# Altium PCB C3_AI_V2.PcbDoc (part 1 of 2) (continued)
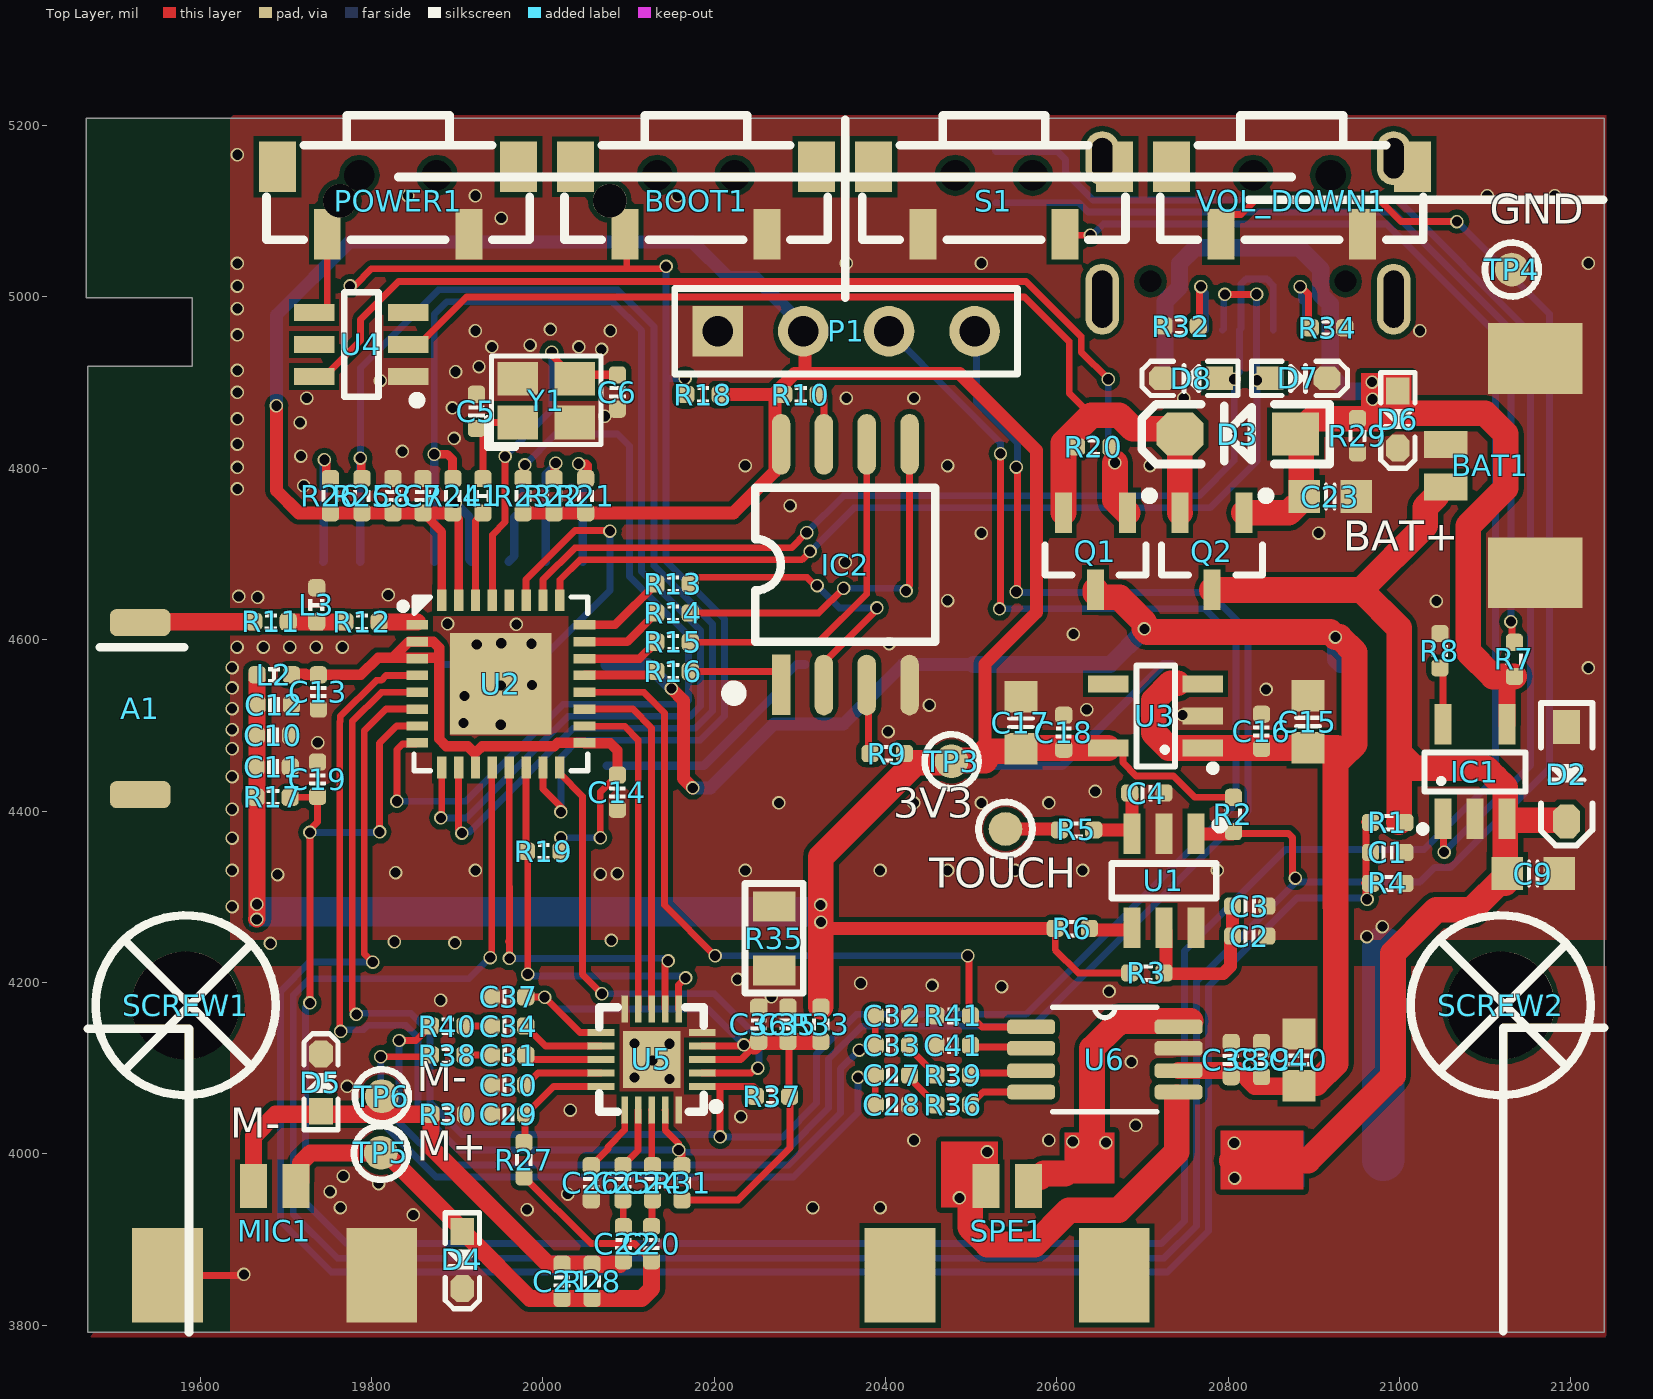
[diagram p0: Top Layer view]
## Footprints (in the part's own frame and the unit in brackets; to place one, negate y for a bottom-side part, rotate by r counter-clockwise, add the part's x,y. Pads: shape width x height; smd on the part's side, far side on the other; paste and mask are expansions set on the pad)
0603_LED_S1 [mm]
  rect 0.93x0.98 smd: A(0.77,0) K(-0.77,0)
  silkscreen extent -1.98,-0.79 1.54,0.79, body extent -0.8,-0.4 0.8,0.4, height 0.6
ANT-Rainsun-AN5120 [mm] "选择"
  rrect50% 0.8x1.8 smd: 1(-2.54,0) ""(2.563,0)
  silkscreen extent -1.8,-1.2 -1.8,1.3, body extent -2.57,-0.91 2.54,0.94, height 1.32
C0603 [mm]
  rect 0.93x0.98 smd: 1(-0.77,0) 2(0.77,0)
  silkscreen extent -0.13,-0.35 0.13,0.35, body extent -0.8,-0.4 0.8,0.4, height 0.3
CAP_0402 [mil]
  rrect50% 20x20 smd: 1(-20,0) 2(20,0)
  silkscreen extent -7,-9 7,9, body extent -20,-10 20,10, height 20
ES8311 [mm]
  rect 0.2x0.8 smd: 1(-0.8,-1.5) 2(-0.4,-1.5) 3(0,-1.5) 4(0.4,-1.5) 5(0.8,-1.5) 11(0.8,1.5) 12(0.4,1.5) 13(0,1.5) 14(-0.4,1.5) 15(-0.8,1.5)
  rect 0.8x0.2 smd: 6(1.5,-0.8) 7(1.5,-0.4) 8(1.5,0) 9(1.5,0.4) 10(1.5,0.8) 16(-1.5,0.8) 17(-1.5,0.4) 18(-1.5,0) 19(-1.5,-0.4) 20(-1.5,-0.8)
  rect 1.7x1.7 smd: 21(0,0)
  silkscreen extent -1.55,-2 1.55,1.55, body extent -1.5,-1.5 1.5,1.5, height 0.75
HDR1X4 [mm] "Connector; Header; 4 Position"
  rect 1.5x1.5 hole 0.9: 1(0,0)
  round 1.5 hole 0.9: 2(2.54,0) 3(5.08,0) 4(7.62,0)
  silkscreen extent -1.27,-1.27 8.89,1.27
IND_0402Q [mil]
  rrect50% 20x20 smd: 1(-20,0) 2(20,0)
  silkscreen extent -6,-9 7,9, body extent -20,-10 20,10, height 20
LED-SMD_4P-L5.0-W5.0-BL_XL-5050RGBC [mm]
  rect 1.5x1 smd: 1(-2.505,1.409) 2(-2.505,-1.591) 3(2.495,-1.591) 4(2.495,1.409)
  silkscreen extent -4.11,-2.59 4.39,2.41, body extent -2.7,-2.63 2.7,2.37, height 1.73
M3螺丝 [mil]
  round 126 hole 126 paste+0 mask+4: 1(0,0)
  silkscreen extent -105,-105 105,105
"MOLEX 53398-0271" [mm]
  rect 2.1x2.8 smd: 0(-3.175,1.4) 0(3.175,1.4)
  rect 0.8x1.3 smd: 1(-0.625,-1.248) 2(0.625,-1.248)
  body extent -3.83,-1.41 3.83,2.79, height 4.69
MSOP-8 [mil]
  rrect50% 56x17 smd: 1(-86,38) 2(-86,13) 3(-86,-13) 4(-86,-38) 5(86,-38) 6(86,-13) 7(86,13) 8(86,38)
  silkscreen extent -61,-61 61,61, body extent -97,-61 97,61, height 45
"OSC 2025-4P" [mm] "2*2.5*0.55mm(长宽高)"
  rect 1.2x1 smd: 1(-0.85,-0.65) 2(0.85,-0.65) 3(0.85,0.65) 4(-0.85,0.65)
  silkscreen extent -1.75,-1.4 1.63,1.32, body extent -1.25,-1 1.25,1, height 0.55
QFN-32_L5.0-W5.0-P0.50-TL-EP3.7 [mm]
  rect 0.28x0.65 smd paste-100 mask+0.051: 1(1.736,2.479) 2(1.235,2.479) 3(0.736,2.479) 4(0.235,2.479) 5(-0.264,2.479) 6(-0.765,2.479) 7(-1.264,2.479) 8(-1.765,2.479) 17(-1.765,-2.476) 18(-1.264,-2.476) 19(-0.765,-2.476) 20(-0.264,-2.476) 21(0.235,-2.476) 22(0.736,-2.476) 23(1.235,-2.476) 24(1.736,-2.476)
  rect 0.65x0.28 smd paste-100 mask+0.051: 9(-2.492,1.752) 10(-2.492,1.252) 11(-2.492,0.752) 12(-2.492,0.252) 13(-2.492,-0.248) 14(-2.492,-0.748) 15(-2.492,-1.248) 16(-2.492,-1.748) 25(2.463,-1.748) 26(2.463,-1.248) 27(2.463,-0.748) 28(2.463,-0.248) 29(2.463,0.252) 30(2.463,0.752) 31(2.463,1.252) 32(2.463,1.752)
  rect 3x3 smd paste-100 mask+0.051: 33(-0.015,0.002)
  silkscreen extent -2.59,-2.57 2.56,3, body extent -2.53,-2.5 2.47,2.5, height 0.91
"R 0805_L" [mil] "1/8W贴片电阻"
  rect 35x50 smd: 1(-37.4,0) 2(37.4,0)
  silkscreen extent -64,-34 64,34, body extent -39,-25 39,25, height 20
RES_0402 [mil]
  rrect50% 20x20 smd: 1(-20,0) 2(20,0)
  silkscreen extent -6,-10 6,10, body extent -20,-10 20,10, height 14
"SMT Test Point" [mm]
  round 1 smd paste-0.5: 1(0,0)
  silkscreen extent -0.8,-0.8 0.8,0.8, body extent -0.5,-0.5 0.5,0.5, height 0.1
SOD-123 [mil] "2.7x1.6X1.1mm（长宽高，不包括引脚）"
  rect 55x50 smd: 1(-67.5,0)
  oct 55x50 smd: 2(67.5,0)
  silkscreen extent -108,-35 112,35, body extent -73,-31 73,31, height 48
SOD-323 [mm] "1.8x1.3X0.9mm（长宽高，不包括引脚）"
  rect 1x0.8 smd: 1(-1.4,0)
  oct 1x0.8 smd: 2(1.4,0)
  silkscreen extent -2.11,-0.76 2.11,0.76, body extent -1.34,-0.63 1.31,0.67, height 1
SOD-523 [mm] "1.2x0.8X0.6mm（长宽高，不包括引脚）"
  rect 0.8x0.7 smd: 1(-0.85,0)
  oct 0.8x0.7 smd: 2(0.85,0)
  silkscreen extent -1.4,-0.51 1.45,0.51, body extent -0.8,-0.4 0.8,0.4, height 0.65
SOP8-FLASH [mm] "5.3*8.3*1.8mm（长宽高）"
  rect 1.8x0.55 smd: 1(-3.556,1.905)
  oval 1.8x0.55 smd: 2(-3.569,0.635) 3(-3.569,-0.635) 4(-3.569,-1.905) 5(3.569,-1.905) 6(3.569,-0.635) 7(3.569,0.635) 8(3.569,1.905)
  silkscreen extent -3.94,-2.67 2.29,3.43, body extent -3.94,-2.64 3.94,2.64, height 1.9
SOT23-3N [mm] "3x1.3x1mm(长宽高)"
  rect 0.5x1.2 smd: 1(-0.95,-1.143) 2(0.95,-1.143) 3(0,1.143)
  silkscreen extent -1.73,-1.78 1.5,0.7, body extent -1.5,-1.2 1.5,1.2, height 1.05
SOT23-5N [mm] "3x1.6x1.1mm(长宽高)"
  rect 0.5x1.2 smd: 1(-0.95,-1.4) 2(0,-1.4) 3(0.95,-1.4) 4(0.95,1.4) 5(-0.95,1.4)
  silkscreen extent -1.63,-1.78 1.5,0.56, body extent -1.5,-1.4 1.5,1.4, height 1.15
SOT23-6N [mm] "3x1.6x1.1mm(长宽高)"
  rect 0.5x1.2 smd: 1(-0.95,-1.4) 2(0,-1.4) 3(0.95,-1.4) 4(0.95,1.4) 5(0,1.4) 6(-0.95,1.4)
  silkscreen extent -1.78,-1.78 1.55,0.51, body extent -1.5,-1.4 1.5,1.4, height 1.15
TF卡座 [mm]
  round 1 hole 1 unplated: 0(3.334,-4.696) 0(3.334,3.305)
  rect 2x0.6 smd: 1(-7.366,2.505) 2(-7.366,1.405) 3(-7.366,0.305) 4(-7.366,-0.795) 5(-7.366,-1.895) 6(-7.366,-2.995) 7(-7.366,-4.095) 8(-7.366,-5.195) 9(-7.366,-6.295)
  rect 2x1.2 smd: 10(-6.666,-7.495)
  rect 2.2x1.6 smd: 11(2.934,-7.495) 12(2.934,8.005)
  rect 2x1.6 smd: 13(-6.666,7.105)
  silkscreen extent -6.12,-7.04 7.35,7.4, body extent -7.82,-7.8 9.38,8.3, height 2.2
"TSW 3*6*4.3-S-W" [mm] "侧立贴片3*6*4.3"
  rect 1.1x1.5 smd: 0(-3.575,-0.25) 0(3.575,-0.25)
  round 0 hole 0.9: 0(-1.15,0) 0(1.15,0)
  rect 0.8x1.5 smd: 1(2.1,1.75) 2(-2.1,1.75)
  silkscreen extent -3.9,-1.78 3.9,1.91, body extent -3.9,-1.79 3.9,1.91, height 3.51
"USB Type-C-16Pin_A" [mm]
  round 0 hole 0.65: 0(-2.89,3.65) 0(2.89,3.65)
  oval 1x1.6 hole 0.6 slot 1.2 at 90 deg: 1(-4.32,0) 1(4.32,0)
  oval 1x2.1 hole 0.6 slot 1.7 at 90 deg: 1(-4.32,4.18) 1(4.32,4.18)
  rect 0.3x1.45 smd: A1(-3.375,5.092) A4(-2.6,5.092) A5(-1.25,5.092) A6(-0.25,5.092) A7(0.25,5.092) A8(-1.75,5.092) A9(2.6,5.1) A12(3.375,5.1) B1(3.075,5.1) B4(2.3,5.1) B5(1.75,5.092) B6(0.75,5.092) B7(-0.75,5.092) B8(1.25,5.092) B9(-2.3,5.092) B12(-3.075,5.092)
  silkscreen extent -4.57,-2.79 4.57,3.05, body extent -4.47,-2.6 4.47,5.3, height 3.25

## Part data
A1: library part ANT-Rainsun-AP5120
BAT1 SPE1: library part "Header 4", "molex 53261-0271 2P", BOM名称=4P接插件, 学习资源=www.ooocke.com, 版权归属=源创客
BOOT1 S1 VOL_DOWN1: library part SW-PB, "3*6侧按键高寿命双弹片", LatestRevisionDate=17-Jul-2002, LatestRevisionNote="Re-released for DXP Platform.", PackageDescription="Switch; 2 Leads", PackageReference=SPST-2, Published=24-Mar-1999, Publisher="Altium Limited"
C1 C2 C3 C9 C15 C16 C17 C18 C23: library part cap
C4 C20 C21 C22: library part Cap, "贴片电容", LatestRevisionDate=17-Jul-2002, LatestRevisionNote="Re-released for DXP Platform.", PackageDescription="Radial Cap, Thru-Hole; 2 Leads; 0.3 in Pin Spacing", PackageReference=RAD-0.3, Published=8-Jun-2000, Publisher="Altium Limited"
C5 C6 C7 C8 C10 C11 C12 C13 C14 C19: library part C_0402, "Capacitor"
C24 C25 C26 C27 C28 C29 C30 C31 C32 C33 C34 C35 C36 C37 C38 C39 C40 C41: library part CAP
D1: library part "0603 白灯", "发光二极管", Package=0603, SuppliersPartNumber=C2290, ComponentLink1Description=供应商链接, ComponentLink1URL=http://www.szlcsc.com/product/details_2663.html, Supplier=LC
D2: library part 1N4007, "二极管"
D3: library part SS34, "肖特基二极管", BOM名称=肖特基二极管, 学习资源=www.ooocke.com, 属性=40V/3A, 版权归属=源创客
D4 D5 D6 D7 D8: "极性:双向;反向截止电压(Vrwm):5V;最大钳位电压:18.6V;峰值脉冲电流(Ipp)@10/1000us:9.4A;击穿电压:5.6V;", Breakdown Voltage=5.6V, JLCPCB Part Class=扩展库, LCSC Part Name=双向ESD, Manufacturer=LRC(乐山无线电), Maximum Clamping Voltage=18.6V, Peak Pulse Current (Ipp)@10/1000us=9.4A, Reverse Stand-Off Voltage (Vrwm)=5V, Add into BOM=yes, Convert to PCB=yes, Datasheet=https://atta.szlcsc.com/upload/public/pdf/source/20190807/C383211_633DF4B4E2C161403226E5235FE33A1C.pdf, Device=LESD5D5.0CT1G, Manufacturer Part=LESD5D5.0CT1G, polarity=双向, Supplier=LCSC, Supplier Footprint=SOD-523, Supplier Part=C383211, Symbol=LESD5D5.0CT1G, Type=ESD
IC1: library part LTC4054, "锂电池充电芯片", BOM名称=锂电池充电芯片, 学习资源=www.ooocke.com, 版权归属=源创客
IC2: library part W25Qxx, "外置Flash 1.8V", BOM名称=外置Flash, 学习资源=www.ooocke.com, 版权归属=源创客
J1: "TF卡座", BOM名称=TF卡座, 学习资源=www.ooocke.com, 版权归属=源创客
J2: library part USB_C, "Type-C 母 卧贴 https://item.szlcsc.com/3252508.html"
L1 L2: library part Ind_0402, "Inductor", Specification="±5% 100mA", Type=0402
L3: library part Ind_0402, "3nH电感 0402", Specification="±5% 100mA", Type=0402
LED1 LED2 LED3: "5050七彩幻彩透明贴片LED灯珠 5050 幻彩透明四脚 ws2812B 内置驱动IC", JLCPCB Part Class=扩展库, Manufacturer=XINGLIGHT(成兴光), Add into BOM=yes, Convert to PCB=yes, Datasheet=https://atta.szlcsc.com/upload/public/pdf/source/20240412/E1004CAA80592E31D08BFE019083806F.pdf, Device=XL-5050RGBC-WS2812B, LCSC Part Name=XL-5050RGBC-WS2812B, Manufacturer Part=XL-5050RGBC-WS2812B, Supplier=LCSC, Supplier Footprint=SMD5050, Supplier Part=C2843785, Symbol=XL-5050RGBC-WS2812B
MIC1: library part "Header 4", "立贴 MX1.25mm间距 连接器", BOM名称=4P接插件, 学习资源=www.ooocke.com, 版权归属=源创客
P1: library part "Header 4", "Header, 4-Pin", LatestRevisionDate=17-Jul-2002, LatestRevisionNote="Re-released for DXP Platform.", Publisher="Altium Limited"
POWER1: library part SW-PB, LatestRevisionDate=17-Jul-2002, LatestRevisionNote="Re-released for DXP Platform.", PackageDescription="Switch; 2 Leads", PackageReference=SPST-2, Published=24-Mar-1999, Publisher="Altium Limited"
Q1 Q2: library part AO3401, "P沟道 30V/4.2A", BOM名称=场效应管, 学习资源=www.ooocke.com, 描述="P沟道 30V/4.2A", 版权归属=源创客
R1 R4 R7 R8 R11 R12 R13 R14 R15 R16 R20 R21 R22 R23 R24 R25 R26 R27 R28 R29 R30 R31 R32 R33 R34 R35 R36 R37 R38 R39 R40 R41: library part RES, "普通电阻"
R2 R3 R5 R6 R9 R10 R17 R18 R19: library part R-0402, "Resistor"
TOUCH TP1 TP2 TP3 TP4 TP5 TP6 TP7 TP8: "PCB TEST POINT SMT 1mm", Created by=gmoreno, Creation date=26-Apr-2012
U1: library part TH6A9, "触摸IC"
U2: "CPU内核:RISC-V;CPU最大主频:160MHz;工作电压范围:3V~3.6V;程序存储容量:-;程序存储器类型:-;RAM总容量:400KB;GPIO端口数量:22;", JLCPCB Part Class=扩展库, Low-Voltage Detect=-, Manufacturer=ESPRESSIF(乐鑫), Operating Temperature Range=-40℃~+105℃, Operating Voltage Range=3V~3.6V, ADC (Bit)=12bit, Add into BOM=yes, CCP Capture/Compare=-, communication protocol=蓝牙协议；WIFI协议, Convert to PCB=yes, CPU Core=RISC-V, CPU Maximum Speed=160MHz, DAC (Bit)=-, Datasheet=https://atta.szlcsc.com/upload/public/pdf/source/20210625/C2838500_6489BE4707B1A2880AF92BF6724D19CA.pdf, Device=ESP32-C3, Direct Memory Access=有, EEPROM=-, GPIO Ports Number=22, I2C=1, I2S=1, Infrared Data Association=-, Internal Comparator=-, Internal Oscillator=-, LCSC Part Name=ESP32-C3, Manufacturer Part=ESP32-C3, Peripheral/Function=蓝牙协议栈；片载温度传感器；真随机数发生器；DMA；看门狗；WIFI协议栈；硬件密码算法引擎；54位Timer；PWM；RTC实时时钟, Program Memory Type=-, Program Storage Size=-, PWM (Bit)=-, RAM Size=400KB, Real-Time Clock=有, Secure Digital Input and Output=-, SPI=3, Supplier=LCSC, Supplier Footprint=QFN-32-EP(5x5), Supplier Part=C2838500, Symbol=ESP32-C3, UART/USART=2, Universal Serial Bus=-, Watchdog=有
U3: library part ME6211C28M5G, BOM_JLCPCB Part Class="Extended Part", BOM_Manufacturer=MICRONE(南京微盟), BOM_Manufacturer Part=ME6211C28M5G-N, BOM_Supplier=LCSC, BOM_Supplier Part=C53099, spicePre=U, spiceSymbolName=ME6211C28M5G
U4: "按键触发开关 IC", JLCPCB Part Class=扩展库, Add into BOM=yes, Convert to PCB=yes, Device=SAM8108, LCSC Part Name=SAM8108, Manufacturer Part=SAM8108, Supplier=LCSC, Supplier Footprint=SOT-23-6, Supplier Part=C9900019002, Symbol=SAM8108
U5: BOM_JLCPCB Part Class="Extended Part", BOM_Manufacturer=null, BOM_Manufacturer Part=ES8311-S, BOM_Supplier=LCSC, BOM_Supplier Part=C9900015232, Contributor=lcsc, spicePre=U, spiceSymbolName=ES8311-S
U6: library part LM4871
Y1: library part XT-4Pin, "XT-2520", Package="SMD-6 ECS International", Availability=Unavailable, MF="ECS International", MP=ECS-3225S30-240-EN-TR, Price="0.75 USD"
SCREW1 SCREW2: Add into BOM=yes, Convert to PCB=yes, Device=M3螺丝, Supplier Footprint=插件, Symbol=螺丝孔

## Via types
v1: diameter 15.75, hole 11.81, Top Layer to Bottom Layer, tented both sides, 222 vias

## Nets (pads, with @x,y where several pads share a name; then routed paths per layer and width w, separated by ;. In a path a pad name is that pad's centre, name@x,y a point inside that pad or via, vN(x,y) a via of type N, cw(c..) or ccw(c..) an arc to the next point about the centre after c; other vN are vias at no path point)
3V3_ESP32: C7.2 C8.2 C10.2 C11.2 C12.2 C17.2 C18.2 IC2.8 J1.4 L2.1 P1.2 R2.1 R3.1 R6.1 R9.1 R10.1 R17.1 R18.1 R21.1 R22.1 R23.1 R24.1 R25.1 R26.1 R33.2 TP3.1 U2.31 U2.32 U3.5 | length 4126.5
  Top Layer w8: R6.1@20598,4263 20598,4238 20625,4211 R3.1@20685,4211 ; U3.5@20659.88,4473.6 20671.2,4473.6 20677.04,4467.76 20677.04,4456.44 20692.48,4441 20736.21,4441 20761.21,4416 R2.1@20806,4416
  Top Layer w10: R25.1@19789,4748 C8.2@19825,4748 ; C7.2@19860,4748 19882.03,4725.97 U2.32@19882.03,4645.97 ; R24.1@19895,4748 19901.72,4741.28 U2.31@19901.72,4645.97
  Top Layer w15: v1(19689,4873) 19689,4774 19715,4748 R25.1@19789,4748 C7.2@19860,4748 R24.1@19895,4748 ; R23.1@19977,4748 R22.1@20013,4748 R21.1@20050,4748 20222.58,4748 20270.79,4796.21 20270.79,4887.49 ; R18.1@20207,4886 20269.3,4886 20270.79,4887.49 ; P1.2@20304,4960 20306,4958 20306,4910.48 ; 20324.5,4255 20332.5,4263 R6.1@20598,4263 ; 20516,4458.84 20516,4571.77 20576,4631.77 20576,4821 20486.52,4910.48 20306,4910.48 ; 20270.79,4887.49 20293.78,4910.48 20306,4910.48
  Top Layer w20: v1@19666,4274 19666.5,4274.5 19666.5,4315.75 19666.42,4315.83 19666.42,4335.61 19666.5,4335.68 C12.2@19666.5,4524 L2.1@19666.5,4559 ; R33.2@20324.5,4171 R33.2@20325,4171.5
  Top Layer w30: R33.2@20324.5,4171.5 20324.5,4255 v1(20324.5,4270.25) 20324.5,4346.2 20434.5,4456.21 20472.67,4456.21 TP3.1@20477,4460.54 ; TP3.1@20477,4458 20477.84,4458.84 20516,4458.84 ; 20517,4469.84 20555.16,4469.84 C17.2@20558,4472.69 ; C17.2@20558,4473.6 U3.5@20659.88,4473.6
  Bottom Layer w10: v1(19897.78,4759.75) 19913.98,4743.56 19913.98,4693.72 J1.4@19916.69,4691
  Bottom Layer w15: v1(19689,4873) 19689,4979 19774,5064 20175,5064 20216,5023 20247.45,5023 20304,4966.45 P1.2@20304,4960
  other v1: 19665.98,4273.42 20324.24,4290.39 19666.2,4291.11
3V3_VDD_ESP32: C13.2 C14.2 L2.2 R19.1 U2.2 U2.3 U2.11 U2.17 | length 756
  Top Layer w8: L2.2@19706.5,4559 19722.8,4559 ; R19.1@20021,4353 v1(20021,4369) ; v1(20067.16,4368.73) 20067,4368.89 20067,4422 C14.2@20087,4442
  Top Layer w12: L2.2@19711.29,4560.39 19722.8,4560.39 ; 19722.8,4559 C13.2@19738,4559 19787.66,4559 19807.66,4579 19825,4579 ; 19876,4579 19853.39,4579 19825,4579 ; C14.2@20087,4442 20087,4471.08 20078.85,4479.23 20048.77,4479.23 U2.17@20048.47,4479.53 20017.11,4479.53 20013.27,4475.68 19929.03,4475.68 19921.89,4468.54 19919.34,4468.54 19912.2,4475.68 19887.32,4475.68 19879,4484 19879,4579 19879,4590.61 19871.97,4597.64 U2.2@19853.39,4597.64 19843.64,4597.64 19825,4579
  Bottom Layer w8: v1(20021,4369) 20021.27,4368.73 v1(20067.16,4368.73)
ADC_GND: C26.2 C28.2 C29.1 C30.2 C32.1 C35.2 C36.2 C37.2 C38.2 C39.2 C40.2 C41.2 D4.2 D5.2 MIC1.0 R30.2 R35.1 R41.2 U5.5 U5.10 U5.20 U5.21 U6.7 | length 89.5
  Top Layer w8: MIC1.0@19562,3857.88 19649.88,3857.88 v1(19651,3859)
  other v1: 19848.75,3928.62 19981.66,3934.66 19763.79,3937.01 20314.97,3937.01 20393.71,3937.01 20029.11,3952.95 19751.76,3955.66 19808.19,3965.07 19767.04,3973.88 20433.08,4015.75 20590.56,4015.75 20692.01,4033.05 20231.11,4043.22 20032.02,4050.87 19771.74,4078.52 20147.79,4087.26 20106.77,4088.9 20687.01,4107.05 20128.1,4108.92 20147.79,4128.29 20107.1,4128.61 19880.6,4179.15 20266.77,4182.93 20660.82,4189.54 20535.34,4195.03 20454.42,4196.4 20371.02,4198.98 20227.25,4203.39
ADC_MIC1_N: C22.2 C25.2 | length 31.2
  Top Layer w8: C25.2@20093.5,3946 20093.75,3945.75 20093.75,3915.25 C22.2@20094,3915
ADC_MIC1_P: C20.2 C24.2 | length 31.4
  Top Layer w8: C20.2@20127,3915 20127.5,3915.5 20127.5,3945.5 C24.2@20128,3946
ADC_MICBIAS12: C29.2 R27.1 U5.15 | length 135.2
  Top Layer w8: R27.1@19978,4013 19979,4014 19979,4045 C29.2@19980,4046 20012.5,4078.5 U5.15@20067.94,4078.5
AUX_VCC_IN: D3.2 Q1.2 Q2.2 R20.1 U4.2 | length 1242.5
  Top Layer w8: U4.2@19844.12,4947 19857.9,4947 19911.06,5000.16 20562.08,5000.16 20614.36,4947.87 20614.36,4887.64 20640,4862
  Top Layer w30: Q1.2@20607.6,4748 20607.6,4829.6 20613,4835 20640,4862 20672.77,4862 20688.48,4846.29 20737.21,4846.29 D3.2@20743.5,4840 D3.2@20743.5,4840 20743.55,4748.05 Q2.2@20743.6,4748
BAT_MEAS_ADC: C1.2 R1.1 R4.2 U2.6 | length 2470.9
  Top Layer w8: v1(19801.38,4223.58) 19791.47,4233.5 19791.47,4257.33 19791.47,4493.56 19816.81,4518.9 U2.6@19853.39,4518.9 ; R4.2@20959,4316 R4.2@20960.61,4314.39 ; R1.1@20959,4387 20960.61,4385.39 R4.2@20960.61,4314.39 ; v1@20960.61,4297 R4.2@20960.61,4314.39
  Bottom Layer w8: v1(19801.38,4223.58) 19727.78,4223.58 19693.7,4189.5 19693.7,3921.3 19753,3862 20729,3862 20776.79,3909.79 20776.79,4194.99 20880.4,4298.6 20960.4,4298.6 v1(20962,4297)
Codec_3V3: C35.1 C36.1 C37.1 R31.2 R33.1 R37.2 U5.3 U5.4 U5.11 | length 859.7
  Top Layer w8: C37.1@19980,4183 19980.19,4182.81 20001.88,4182.81 20043.19,4141.5 U5.11@20067.94,4141.5 ; R31.2@20162.5,3946 20228,3946 20288.5,4006.5 20288.5,4076 20287.25,4077.25 20287.25,4125.81 20319.31,4125.81 R33.1@20324.5,4131 ; U5.3@20186.05,4110 20231,4110 20241.5,4120.5 ; U5.4@20186.05,4125.75 20186.11,4125.81 20233.42,4125.81 v1(20234.61,4127)
  Top Layer w20: C36.1@20246.81,4125.81 C36.1@20252,4131 R33.1@20324.5,4131
  Bottom Layer w8: v1(20002.07,4182.62) 20015.9,4168.78 20192.83,4168.78 v1(20234.61,4127)
DAC_OUT_N: C27.2 C28.1 R38.1 | length 846.9
  Top Layer w8: v1(19810.83,4113.13) 19867.13,4113.13 R38.1@19869,4115 ; v1(20368,4089) 20385.33,4089 C27.2@20388,4091.67 C28.1@20388,4057
  Bottom Layer w8: v1(19810.83,4113.13) 19810.83,4037.04 19875.23,3972.64 20292.64,3972.64 20368,4048 v1(20368,4089)
DAC_OUT_P: C32.2 C33.2 R40.1 | length 839.9
  Top Layer w8: v1(19832.19,4132.12) 19852.12,4132.12 R40.1@19869,4149 ; v1(20369.32,4120.9) 20370.8,4122.38 20382.08,4122.38 20388,4128.3 C33.2@20388,4128.73 ; C33.2@20388,4126.33 C32.2@20388,4161
  Bottom Layer w8: v1(19832.19,4132.12) 19832.19,4036.59 19882.13,3986.64 20286.85,3986.64 20347.59,4047.39 20347.59,4099.17 v1(20369.32,4120.9)
ESP32_RX: LED1.4 U2.27 | length 451.6
  Top Layer w8: U2.27@19980.46,4645.97 19980.46,4670.16 20037.7,4727.39 20077.56,4727.39 v1(20078.33,4726.63)
  Bottom Layer w8: LED1.4@19877.79,4571 19991.94,4571 20078.33,4657.39 v1(20078.33,4726.63)
ESP32_TX: U2.28
ESP_RESET: C19.2 R17.2 S1.2 U2.7 | length 3650.9
  Top Layer w8: R17.2@19705,4416 19736,4416 C19.2@19737,4417 19737,4386.97 19729.48,4379.45 19729.48,4378.58 19727.39,4376.48 19726.52,4376.48 v1(19728,4375) v1(19728,4176) ; v1(19809.34,4375.69) 19809.34,4479.13 19829.43,4499.22 U2.7@19853.39,4499.22 ; S1.2@20609.22,5073.1 20610.32,5072 v1(20639,5072)
  Bottom Layer w8: v1(19728,4176) 19727.69,4176 19723,4171.31 19723,3943 19771,3895 20722.2,3895 20748.79,3921.59 20748.79,4236.79 20867,4355 21028.42,4355 21112,4438.58 21112,4958 20984.97,5085.03 20654.13,5085.03 20641.1,5072 v1(20639,5072) ; v1(19728,4375) 19808.66,4375 v1(19809.34,4375.69)
ESP_USB_DN: D7.1 J2.A7 J2.B7 U2.25 | length 1169.5
  Top Layer w8: U2.25@20019.83,4645.97 20019.83,4669.93 20043.11,4693.21 20302.21,4693.21 v1(20312,4703) ; v1(20796,5003) 20832.87,5003 v1(20833,5003.13)
  Bottom Layer w8: v1(20312,4703) 20312.14,4703 20363.04,4753.9 20778.9,4753.9 20833.41,4808.41 v1(20833.41,4902.85) 20833.41,4904.59 20832.92,4905.08 20832.92,4961.45 J2.A7@20832.84,4961.53 20832.92,4961.62 20832.92,5003.04 v1(20833,5003.13) ; J2.B7@20793.47,4961.53 20794.73,4962.8 20794.73,5001.73 v1(20796,5003)
ESP_USB_DP: D8.1 J2.A6 J2.B6 U2.26 | length 1192.9
  Top Layer w8: U2.26@20000.14,4645.97 20000.14,4670.04 20037.31,4707.21 20290.21,4707.21 v1(20308,4725)
  Bottom Layer w8: v1(20308,4725) 20350.9,4767.9 20765.9,4767.9 20807,4809 v1(20807,4904) 20807,4906.1 20813.15,4912.25 J2.A6@20813.15,4961.53 20815,4963.38 20815,5015 20821,5021 20845,5021 20852.52,5013.48 J2.B6@20852.52,4961.53
FLASH_SPI_CLK: IC2.6 R15.1 | length 404.2
  Top Layer w8: R15.1@20172,4597 20322,4597 20378,4653 IC2.6@20378,4828.02
FLASH_SPI_CS0: IC2.1 R16.1 | length 117.5
  Top Layer w8: R16.1@20172,4563 20271.17,4563 20278,4556.17 IC2.1@20278,4547.51
FLASH_SPI_D: IC2.5 R14.1 | length 437.9
  Top Layer w8: R14.1@20172,4631 20322,4631 v1(20351,4660) ; v1(20424,4657) 20424,4659.1 20428,4663.1 IC2.5@20428,4828.02
  Bottom Layer w8: v1(20351,4660) 20418.9,4660 20421.9,4657 v1(20424,4657)
FLASH_SPI_HD: IC2.7 R10.2 | length 68.3
  Top Layer w8: R10.2@20320,4892.46 20328,4884.46 IC2.7@20328,4828.02 ; R10.2@20321.43,4887.08 R10.2@20321.43,4887.62
FLASH_SPI_Q: IC2.2 R13.1 | length 351.7
  Top Layer w8: R13.1@20172,4665 20172.54,4665 20180.32,4672.78 20308.12,4672.78 20317.9,4663 v1(20320,4663) ; IC2.2@20328,4547 20328,4573.3 20390,4635.3 v1(20390,4637)
  Bottom Layer w8: v1(20320,4663) 20346,4637 v1(20390,4637)
FLASH_SPI_WP: IC2.3 R9.2 | length 81.7
  Top Layer w8: IC2.3@20378,4547 20380,4545 20380,4469 R9.2@20382,4467
GND: BAT1.0 BAT1.1 BOOT1.2 C1.1 C2.1 C3.1 C4.1 C5.1 C6.2 C7.1 C8.1 C9.2 C10.1 C11.1 C12.1 C13.1 C14.1 C15.1 C16.1 C17.1 C18.1 C19.1 C23.1 D2.1 D6.2 D7.2 D8.2 IC1.2 IC2.4 J1.6 J1.10 J2.A1 J2.A12 J2.B1 J2.B12 L3.1 LED1.3 LED2.3 LED3.3 P1.1 POWER1.2 R4.1 R8.2 R29.1 R32.1 R34.2 R35.2 S1.1 TP1.1 TP4.1 U1.2 U1.6 U2.33 U3.2 U4.1 VOL_DOWN1.2 Y1.2 Y1.4 | length 247.2
  Bottom Layer w50: TP1.1@20981,3993 20981,4240.17
  other v1: 19681.93,4245.45 19897.39,4246.08 19826.81,4247.4 20080.07,4248.9 20961.94,4253.3 20980,4265 19637.34,4288.5 19690.3,4325.72 20067.17,4326.37 20087,4327 19828,4328 19637.34,4330.73 19921.27,4330.71 20236.23,4330.71 20393.71,4330.71 20472.45,4330.71 20551.19,4330.71 20629.93,4330.71 20787.41,4330.71 19637.34,4368.28 19637.34,4402.01 20275.6,4409.45 20433.08,4409.45 20511.82,4409.45 20590.56,4409.45 20644.75,4422.85 19637.34,4440.14 19637.34,4472.7 19737.22,4479.89 20403.07,4492.68 19637.34,4494.99 19950.9,4500.65 19907.16,4502.63 20746.79,4512.06 20634.85,4518.26 19637.34,4519.63 20451.18,4523.57 19908.58,4534.16 20844.22,4541.91 19637.34,4543.69 19950.9,4546.38 19987.26,4546.95 19637.34,4567.45 21220.48,4566.93 19643.09,4591.39 19673.8,4591.39 19704.51,4591.39 19735.22,4591.39 19765.93,4591.39 19922.78,4594.38 19986.69,4595.23 20404.08,4595.48 19951.47,4595.8 20619.28,4606.51 19969.07,4617.75 19888.72,4618.53 21043,4645 20472.45,4645.67 19667.12,4649.47 19644.96,4650.46 19819.49,4652.32 20352.94,4690.19 20511.82,4724.41 20905.52,4724.41 20288.62,4756.53 19643.37,4776.05 19720.92,4779.68 19643.37,4801.08 20236.23,4803.15 20472.45,4803.15 20708.67,4803.15 19717.57,4814.26 19836.07,4819.78 19643.37,4828.19 19896.44,4834.99 19716.73,4853.31 19643.37,4857.73 20072.21,4860.74 19894.39,4870.55 19724.42,4881.89 20354.34,4881.89 20433.08,4881.89 20748.04,4881.89 19643.37,4888.66 19810.32,4902.38 19898.07,4912.66 19643.37,4914.38 19925.46,4918.79 20068.53,4938.82 19940.59,4941.68 20041.96,4941.68 19985.14,4943.72 19643.37,4955.74 19921.27,4960.63 20078.75,4960.63 21023.63,4960.63 20008.85,4962.12 19643.37,4986.32 19643.37,5012.73 19643.37,5039.15 20354.34,5039.37 20511.82,5039.37 21220.48,5039.37 19951.49,5091.96 19842.53,5118.11 19921.27,5118.11 20157.49,5118.11 21102.37,5118.11 21181.11,5118.11 19643.37,5166
IO0_I2C_SDA: P1.4 R31.1 U2.4 U5.19 | length 2744.3
  Top Layer w8: v1(19764.04,4142.77) 19762.94,4143.87 19762.94,4504.15 19763.47,4504.68 19763.47,4510.23 19805.83,4552.59 19811.37,4552.59 19817.05,4558.27 U2.4@19853.39,4558.27 ; U5.19@20142.74,4050.95 20142.8,4050.89 20142.8,4027.7 20158.61,4011.89 v1(20158.61,4004.52) 20162.5,4000.63 R31.1@20162.5,3986 ; v1@20553,4655 20554,4656 v1@20554,4801
  Bottom Layer w8: v1(19764.04,4142.77) 19765.95,4144.68 19790.5,4144.68 19795.81,4150 19839.59,4150 19854.19,4135.4 19854.19,4051.8 19901.48,4004.52 v1(20158.61,4004.52) 20161.47,4001.66 20282.06,4001.66 20333.59,4053.18 20333.59,4110.44 20371.87,4148.72 20571.72,4148.72 20823,4400 20823,4609.62 20777.62,4655 v1@20553,4655 ; P1.4@20504,4960 20506.22,4957.78 20506.22,4877.58 20554.03,4829.77 20554.03,4805.07 v1@20552.78,4803.82
  other v1: 20552.55,4655.85 20552.55,4801.49
IO1_I2C_SCL: P1.3 R37.1 U2.5 U5.1 | length 2747
  Top Layer w8: v1(19782.34,4162.56) 19777.47,4167.42 19777.47,4504.43 19811.63,4538.59 U2.5@19853.39,4538.59 ; U5.1@20186.05,4078.5 20186.11,4078.44 20207.08,4078.44 ; v1(20206.93,4019.53) 20206.93,4078.28 20207.08,4078.44 ; R37.1@20248.5,4076 20246.06,4078.44 20207.08,4078.44 ; v1(20533,4636) 20534.17,4637.17 v1(20534.17,4817.19)
  Bottom Layer w8: v1(19782.34,4162.56) 19783.78,4164 19845.39,4164 19868.19,4141.2 19868.19,4059.8 19905.61,4022.39 20204.06,4022.39 v1(20206.93,4019.53) 20280.13,4019.53 20319.59,4058.98 20319.59,4116.24 20366.07,4162.72 20563.72,4162.72 20809,4408 20809,4600.02 20773.02,4636 v1(20533,4636) ; P1.3@20404,4960 20482.51,4881.48 20534.17,4829.83 v1(20534.17,4817.19)
IO6: R2.2 U1.1 U2.12 VOL_DOWN1.1 | length 3785.4
  Top Layer w8: v1(19938.58,4228.82) 19938.58,4230.92 19940.29,4232.63 19940.29,4450.09 U2.12@19941.09,4450.89 ; VOL_DOWN1.1@20791.63,5073.1 20791.63,5084.42 20803.38,5096.16 20814.69,5096.16 20831.16,5112.63 20976.87,5112.63 21001.5,5088 v1(21067,5088) ; R2.2@20802.06,4373.94 20870.31,4373.94 20875,4369.26 20875,4321.1 20878.4,4317.69 v1(20878.4,4321.7)
  Top Layer w15: U1.1@20762.41,4373.71 20763.12,4373 20805,4373 R2.2@20804.29,4373.71
  Bottom Layer w8: v1(19938.58,4228.82) 19913.97,4204.22 19728.22,4204.22 19708.63,4184.63 19708.63,3929.37 19760,3878 20725,3878 20762.79,3915.79 20762.79,4200.79 20879,4317 21023.56,4317 21040.69,4334.13 21059.4,4334.13 21175,4449.72 21175,4980 v1(21067,5088)
IO7_I2S_DI: U2.13 U5.7 | length 468
  Top Layer w8: U2.13@19960.77,4450.89 19960.77,4312.23 19961,4312 19961,4248.81 19959.76,4247.58 19959.76,4247.49 19961,4246.25 v1(19961,4228) ; U5.7@20142.75,4169.06 20142.75,4221.66 v1(20146.23,4225.13)
  Bottom Layer w8: v1(19961,4228) 20106.61,4228 20106.7,4228.09 20143.27,4228.09 v1(20146.23,4225.13)
IO8_I2S_BCK: R19.2 U2.14 U5.6 | length 472.6
  Top Layer w8: R19.2@19980,4348 19980.23,4348.23 19980.23,4450.66 U2.14@19980.46,4450.89 ; R19.2@19981,4353 19982.33,4351.67 v1(19982.33,4209.59) ; U5.6@20158.5,4169.06 20158.5,4197.08 v1(20166.57,4205.15)
  Bottom Layer w8: v1(19982.33,4209.59) 19984.67,4207.26 20164.47,4207.26 v1(20166.57,4205.15)
IO9_BOOT: BOOT1.1 R18.2 U2.15 | length 1347.6
  Top Layer w8: v1(19775,5013) 19780,5013 19800,5033 20098,5033 ; U2.15@20000.14,4450.89 20000.14,4425.86 v1@20024,4402 ; BOOT1.1@20096.09,5073.1 20098,5071.19 20098,5033 ; v1(20143.91,5035.77) 20141.14,5033 20098,5033 ; v1(20166,4905) 20166.5,4904.5 20166.5,4886.5 R18.2@20167,4886
  Bottom Layer w8: v1(20021,4399) 20021,4462.61 20040.97,4482.59 20183.61,4482.59 20212.09,4511.07 20212.09,4623.91 20143.91,4692.08 20143.91,4906 ; v1(20143.91,5035.77) 20143.91,4906 ; v1(20166,4905) 20144.91,4905 20143.91,4906
IO10_I2S_MCK: U2.16 U5.2 | length 592.1
  Top Layer w8: U2.16@20019.83,4450.89 20019.83,4443.6 20046.26,4417.17 20046.26,4209.3 v1(20068.9,4186.66) ; U5.2@20186.05,4094.25 20243.15,4094.25 20248.9,4100 v1(20251,4100)
  Bottom Layer w8: v1(20068.9,4186.66) 20200.23,4186.66 20252.48,4134.4 20252.48,4101.48 v1(20251,4100)
IO11_I2S_DO: U2.18 U5.9 | length 383.4
  Top Layer w8: U2.18@20048.47,4499.22 20048.69,4499 20095.23,4499 20111.26,4482.97 U5.9@20111.26,4169.06
IO12_I2S_WS: U2.19 U5.8 | length 415.6
  Top Layer w8: U2.19@20048.47,4518.9 20105.21,4518.9 20127,4497.11 U5.8@20127,4169.06
IO13_PA_EN: R41.1 U2.20 U6.1 | length 854.1
  Top Layer w8: U2.20@20048.47,4538.59 20117.98,4538.59 20142,4514.57 20142,4290 v1(20201,4231) ; v1(20496,4231) 20497.48,4229.52 20497.48,4162.52 R41.1@20499,4161 20499.54,4161 20512.54,4148 U6.1@20570,4148
  Bottom Layer w8: v1(20201,4231) v1(20496,4231)
MIC+: C20.1 C21.2 D4.1 MIC1.1 R27.2 R28.1 TP5.1 | length 743.5
  Top Layer w8: R27.2@19978,3973 20056,3895 20105.21,3895 20107,3895 C20.1@20127,3875
  Top Layer w20: MIC1.1@19711.61,3962.12 19717.35,3967.87 19717.35,3989.28 19729.07,4001 19816.24,4001 19825.93,3991.31 19826.12,3991.31 19909.78,3907.65 19909.78,3903.72 19912.28,3903.72 19985,3831 C21.2@20022.5,3831 R28.1@20057.5,3831 20115.28,3831 20127,3842.72 C20.1@20127,3875
MIC-: C21.1 C22.1 D5.1 MIC1.2 R28.2 R30.1 TP6.1 | length 597.1
  Top Layer w20: MIC1.2@19662.39,3962.12 19662.39,4020.39 19688,4046 19741,4046 R30.1@19869.5,4046 19869.5,4007.58 20006.08,3871 R28.2@20057.5,3871 20090,3871 C22.1@20094,3875
NetA1_1: A1.1 R11.2 | length 131.5
  Top Layer w20: A1.1@19530,4620 19530.85,4620.85 R11.2@19661.18,4620.85